# Altium PCB BTTC测试控制板.PcbDoc
Units mm, origin at the board's own origin, x right, y up, seen from the top; angles counter-clockwise.
Board outline 100 x 90 mm, 2 copper layers (Top Layer, Bottom Layer); 105 components, 93 nets, 388 pads, 692 vias.
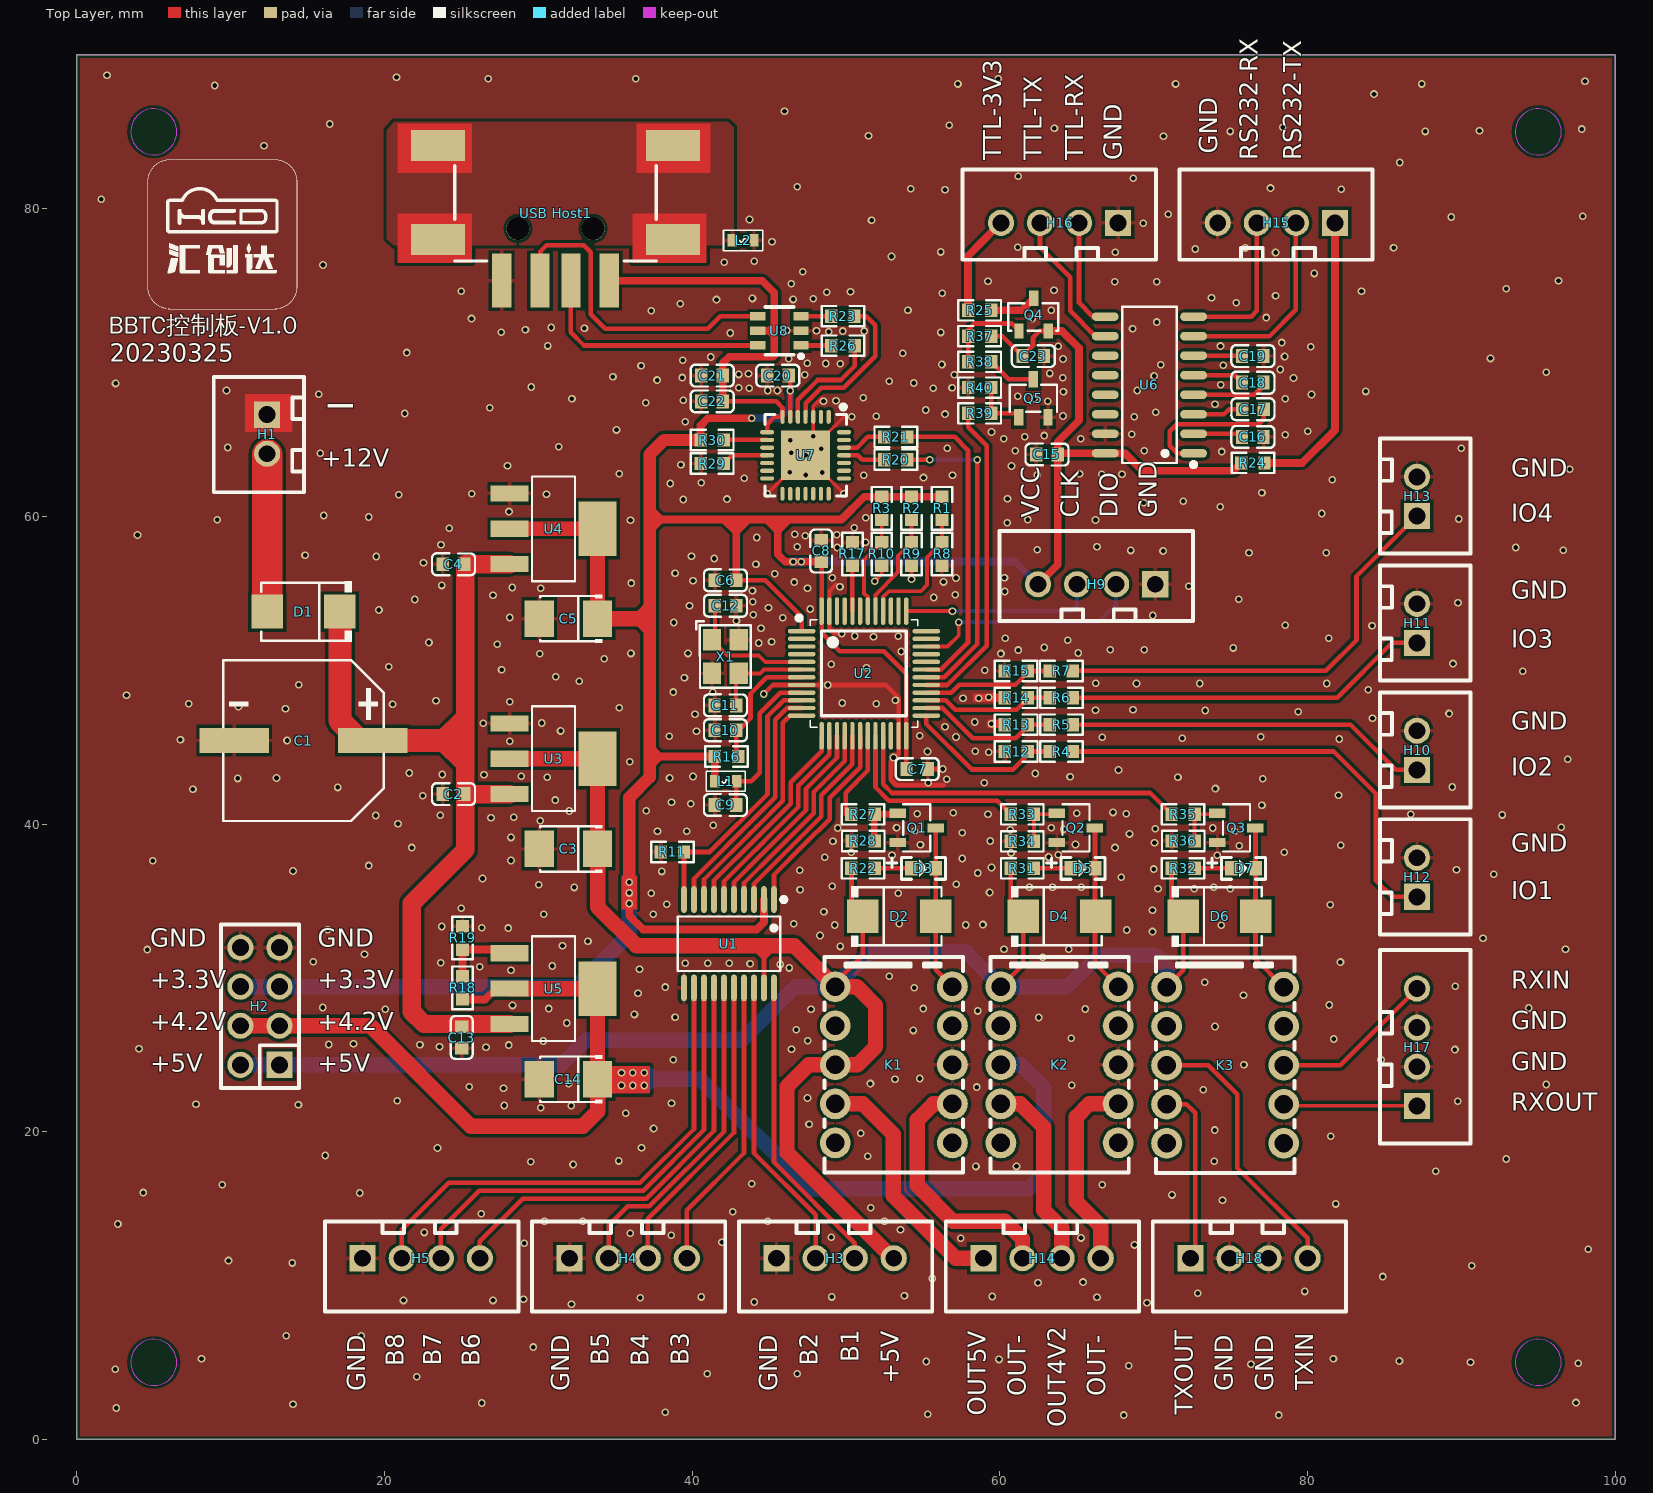
[diagram p0: Top Layer view]
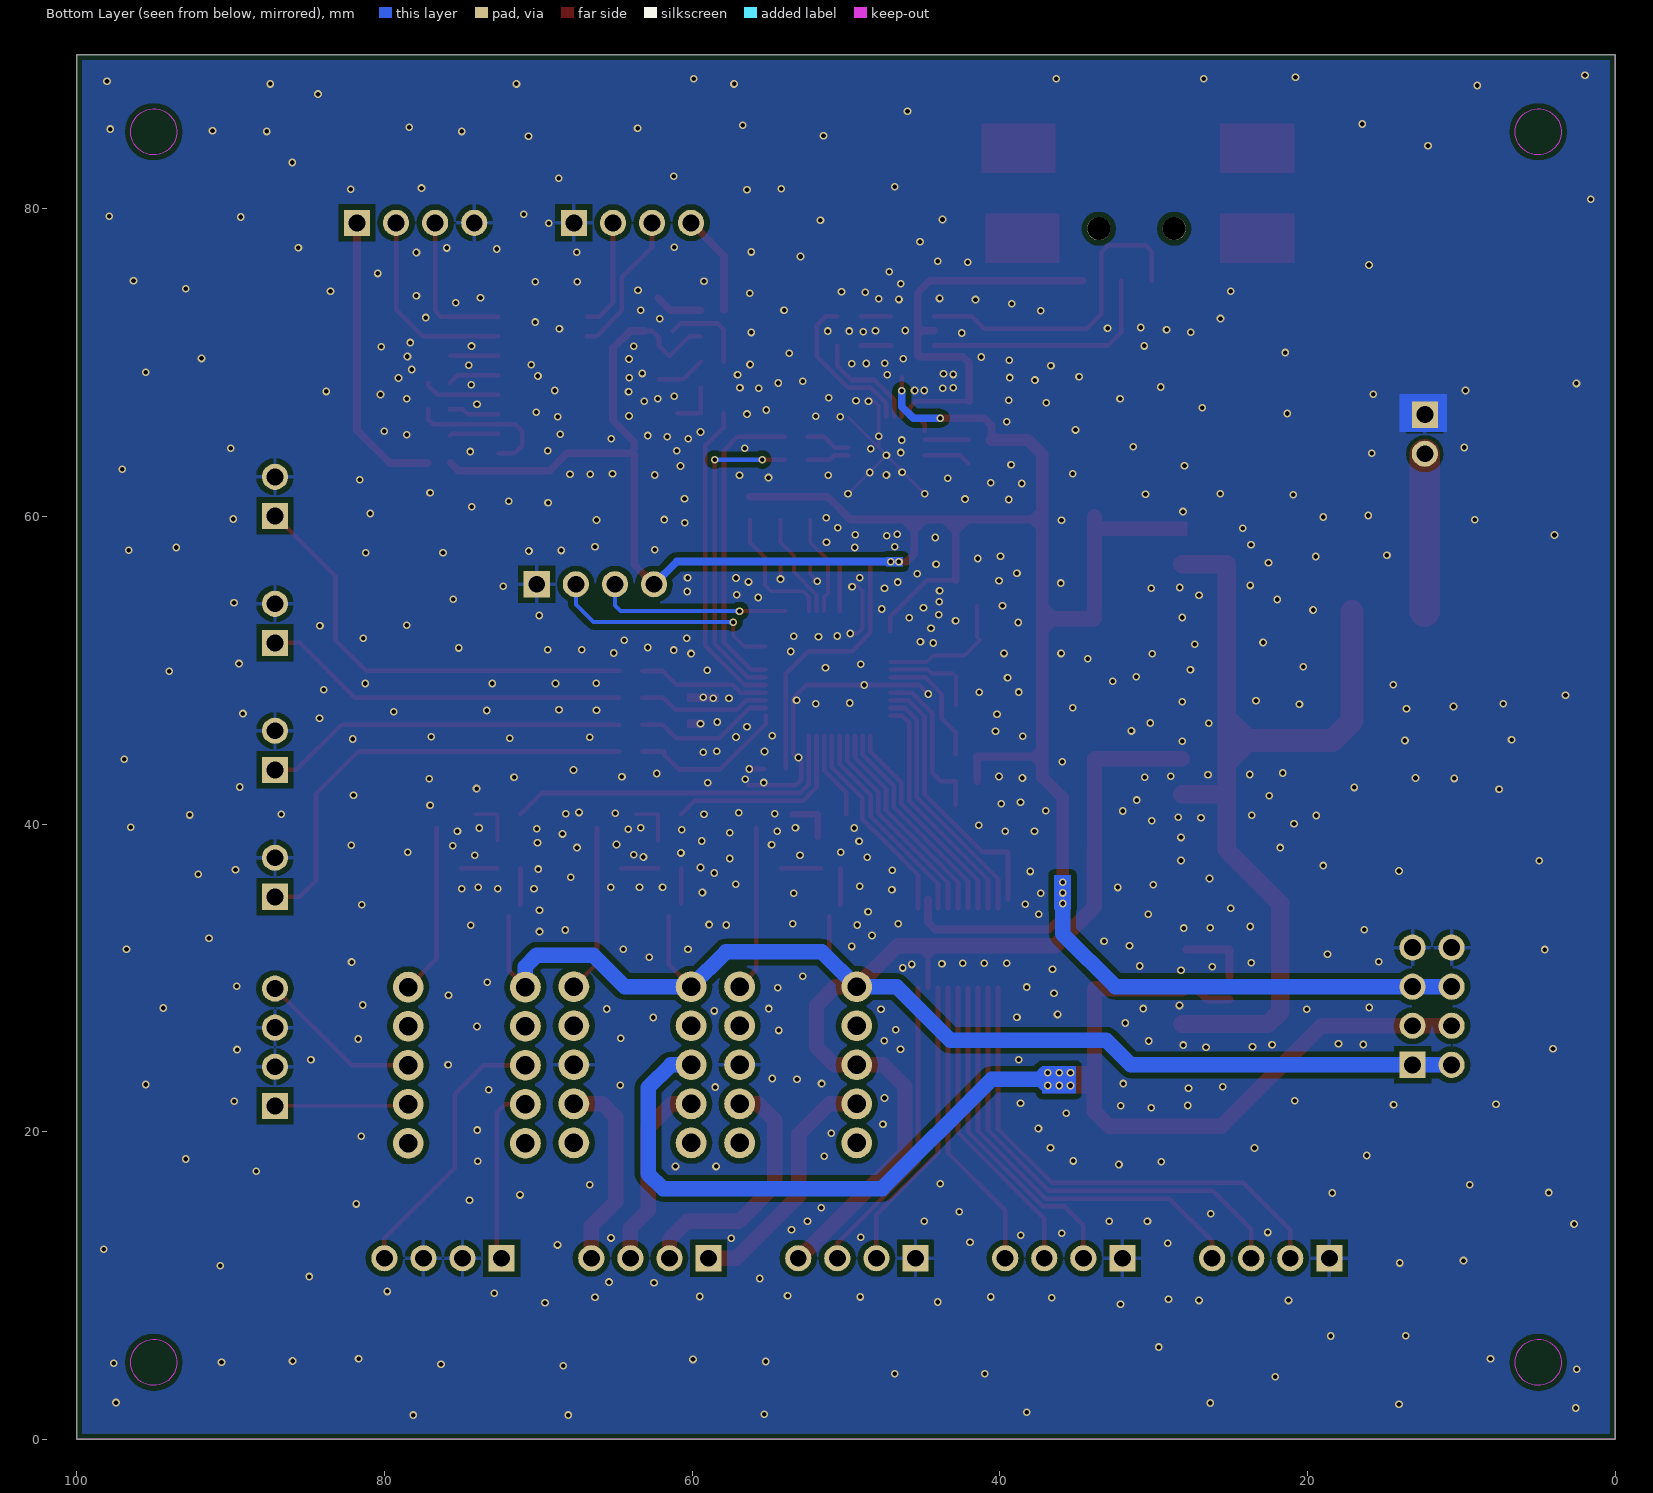
[diagram p1: Bottom Layer view, seen from below]

## Layer stack, top to bottom
Top Layer: signal copper 0.0356
Dielectric: dielectric 0.32, FR-4, Dk 4.8
Bottom Layer: signal copper 0.0356

## Board outline
0,0 0,90 100,90 100,0

## Design rules (kind name [scope] priority, off if disabled: settings)
Clearance [All] p1: gap=0.2
ComponentClearance [All] p1: gap=0 collisioncheckmode=3 verticalgap=0 showdistances=FALSE
PolygonConnect PolygonConnect_1 [InNet('5.416V')] p1: connectstyle=Direct reliefconductorwidth=0.254 reliefentries=4 polygonreliefangle="90 Angle"
PolygonConnect [IsVia] p2: connectstyle=Direct reliefconductorwidth=0.254 reliefentries=4 polygonreliefangle="90 Angle"
PolygonConnect PolygonConnect_2 [All] p3: connectstyle=Relief reliefconductorwidth=0.254 reliefentries=4 polygonreliefangle="90 Angle"
RoutingVias [All] p1: holewidth=0.711 width=1.27 viastyle="Through Hole" minholewidth=0.3 minwidth=0.5 maxholewidth=0.711 maxwidth=1.27
SilkscreenOverComponentPads SilkToSolderMaskClearance [IsPad] p1: minsilkscreentomaskgap=0.254
SolderMaskExpansion [All] p1: expansion=0.102
Width [All] p1: maxlimit=10 minlimit=0.125 preferedwidth=0.254
26 further rules are at their usual default settings.

## Components (designator, comment, footprint, x,y, rotation, side; value= is the part's Value field where it differs from the comment)
C1 "RVT1C221M0605" CAP-SMD_BD10.0-L10.3-W10.3-LS11.0-FD 14.732,45.426 r180 top
C2 "104" C0603 24.486,41.946 r180 top
C3 "T491X476K035AT" CAP-SMD_L3.5-W2.8-R-RD 31.953,38.378 r0 top
C4 "104" C0603 24.486,56.881 r180 top
C5 "T491X476K035AT" CAP-SMD_L3.5-W2.8-R-RD 31.953,53.351 r0 top
C6 "104" C0603 42.164,55.84 r180 top
C7 "104" C0603 54.635,43.572 r180 top
C8 "104" C0603 48.387,57.745 r90 top
C9 "104" C0603 42.164,41.235 r180 top
C10 "104" C0603 42.164,46.093 r180 top
C11 "22pf" C0603 42.164,47.712 r180 top
C12 "22pf" C0603 42.164,54.189 r0 top
C13 "104" C0603 25.019,26.122 r270 top
C14 "T491X476K035AT" CAP-SMD_L3.5-W2.8-R-RD 31.953,23.404 r0 top
C15 "104" C0603 63.068,64.019 r180 top
C16 "104" C0603 76.454,65.162 r180 top
C17 "104" C0603 76.454,66.965 r0 top
C18 "104" C0603 76.454,68.692 r180 top
C19 "104" C0603 76.454,70.42 r180 top
C20 "10uF" C0603 45.568,69.15 r0 top
C21 "10uF" C0603 41.3,69.15 r180 top
C22 "104" C0603 41.3,67.473 r180 top
C23 "10uF" C0603 62.179,70.418 r180 top
D1 "SK1045B" SMB_L4.6-W3.6-LS5.3-RD 14.732,53.808 r180 top
D2 "1N4001" SMB_L4.6-W3.6-LS5.3-RD 53.46,33.996 r0 top
D3 "LED" LED_0603 55.036,37.12 r0 top
D4 "1N4001" SMB_L4.6-W3.6-LS5.3-RD 63.874,33.996 r0 top
D5 "LED" LED_0603 65.405,37.12 r0 top
D6 "1N4001" SMB_L4.6-W3.6-LS5.3-RD 74.288,33.996 r0 top
D7 "LED" LED_0603 75.842,37.12 r0 top
H1 "2P" CONN-TH_2P-P2.54 12.37,66.61 r270 top
H2 "8p-2.54" P2.54-4X2 11.897,28.154 r90 top
H3 "4p-2.54" CONN-TH_4P-P2.54 45.484,11.771 r0 top
H4 "4p-2.54" CONN-TH_4P-P2.54 32.032,11.771 r0 top
H5 "4p-2.54" CONN-TH_4P-P2.54 18.579,11.771 r0 top
H9 "4p-2.54" CONN-TH_4P-P2.54 70.104,55.586 r180 top
H10 "2P" CONN-TH_2P-P2.54 87.122,43.521 r90 top
H11 "2P" CONN-TH_2P-P2.54 87.122,51.776 r90 top
H12 "2P" CONN-TH_2P-P2.54 87.122,35.266 r90 top
H13 "2P" CONN-TH_2P-P2.54 87.122,60.031 r90 top
H14 "4p-2.54" CONN-TH_4P-P2.54 58.937,11.771 r0 top
H15 "4p-2.54" CONN-TH_4P-P2.54 81.788,79.081 r180 top
H16 "4p-2.54" CONN-TH_4P-P2.54 67.691,79.081 r180 top
H17 "4p-2.54" CONN-TH_4P-P2.54 87.122,21.677 r90 top
H18 "4p-2.54" CONN-TH_4P-P2.54 72.39,11.771 r0 top
K1 "TQ2-5V" RELAY-TH_TQ2-XXV 53.111,24.344 r270 top
K2 "TQ2-5V" RELAY-TH_TQ2-XXV 63.881,24.344 r270 top
K3 "TQ2-5V" RELAY-TH_TQ2-XXV 74.651,24.319 r270 top
L1 "10uH" L0603 42.177,42.777 r180 top
L2 "PZ1608D121-2R0TF" L0603 43.307,77.938 r0 top
Q1 "S8050" SOT23-3 54.591,39.743 r180 top
Q2 "S8050" SOT23-3 64.95,39.743 r180 top
Q3 "S8050" SOT23-3 75.385,39.743 r180 top
Q4 "RU20P4C" SOT23-M 62.205,73.111 r0 top
Q5 "S8050" SOT23-3 62.179,67.675 r270 top
R1 "10K" R0603 56.241,61.272 r270 top
R2 "10K" R0603 54.26,61.272 r270 top
R3 "10K" R0603 52.324,61.272 r270 top
R4 "10K" R0603 64.758,44.712 r180 top
R5 "10K" R0603 64.758,46.457 r180 top
R6 "10K" R0603 64.758,48.203 r180 top
R7 "10K" R0603 64.75,49.949 r180 top
R8 "10K" R0603 56.241,58.307 r270 top
R9 "10K" R0603 54.26,58.307 r270 top
R10 "10K" R0603 52.324,58.307 r270 top
R11 "10K" R0603 39.468,38.183 r180 top
R12 "10K" R0603 61.816,44.712 r180 top
R13 "10K" R0603 61.816,46.457 r180 top
R14 "10K" R0603 61.816,48.203 r180 top
R15 "10K" R0603 61.809,49.949 r180 top
R16 "10K" R0603 41.478,44.385 r0 top
R17 "10K" R0603 50.419,56.8 r90 top
R18 "200R" R0603 25.071,28.597 r90 top
R19 "470R" R0603 25.071,31.837 r90 top
R20 "0R" R0603 53.992,63.689 r180 top
R21 "0R" R0603 53.992,65.163 r180 top
R22 "510Ω" R0603 51.861,37.12 r180 top
R23 "22R" R0603 49.047,73.01 r0 top
R24 "0R" R0603 77.207,63.475 r180 top
R25 "0R" R0603 57.937,73.39 r0 top
R26 "22R" R0603 49.053,71.094 r0 top
R27 "1K" R0603 51.861,40.632 r180 top
R28 "10K" R0603 50.368,38.898 r0 top
R29 "10K" R0603 40.547,63.435 r0 top
R30 "4.7K" R0603 40.547,64.959 r0 top
R31 "510Ω" R0603 62.212,37.12 r180 top
R32 "510Ω" R0603 72.667,37.12 r180 top
R33 "1K" R0603 62.212,40.632 r180 top
R34 "10K" R0603 60.706,38.876 r0 top
R35 "1K" R0603 72.667,40.632 r180 top
R36 "10K" R0603 71.171,38.898 r0 top
R37 "10K" R0603 59.444,71.717 r180 top
R38 "1K" R0603 57.937,70.044 r0 top
R39 "1K" R0603 59.444,66.697 r180 top
R40 "10K" R0603 57.937,68.37 r0 top
U1 "TXB0108PWR" TSSOP-20 42.393,32.218 r180 top
U2 "STM32F030C6T6" LQFP-48_7x7x05P 47.117,52.538 r0 top
U3 "AMS1117-5" SOT-223 30.987,44.244 r180 top
U4 "AMS1117-3.3" SOT-223 30.987,59.192 r180 top
U5 "AMS1117-ADJ" SOT-223 30.987,29.297 r180 top
U6 "SP3232EEN" SOP-16_L10.0-W3.9-P1.27-LS6.0-BL 69.723,68.54 r90 top
U7 "CP2102-GMR" WQFN-28_L5.0-W5.0-P0.50-BL-EP3.2 47.371,63.968 r180 top
U8 "USBLC6-2SC6" SOT-23-6_L2.9-W1.6-P0.95-LS2.8-BR 45.675,72.059 r0 top
"USB Host1" "629104190121" USB-A 31.115,79.716 r180 top
X1 "TAXM8M4RDBCCT2T" OSC-SMD_4P-L3.2-W2.5-BL 42.164,50.887 r270 top

## Footprints (in the part's own frame and the unit in brackets; to place one, negate y for a bottom-side part, rotate by r counter-clockwise, add the part's x,y. Pads: shape width x height; smd on the part's side, far side on the other; paste and mask are expansions set on the pad)
C0603 [mm]
  rect 0.8x0.9 smd: 1(-0.692,-0.003) 2(0.708,-0.003)
  Top Layer pour cut-out: -0.508,0.635 -0.508,-0.635 0.508,-0.635 0.508,0.635
  silkscreen extent -1.4,-0.71 1.4,0.71
CAP-SMD_BD10.0-L10.3-W10.3-LS11.0-FD [mm]
  rect 4.5x1.65 smd mask+0.051: 1(-4.5,0) 2(4.5,0)
  silkscreen extent -5.23,-5.23 5.23,5.23
CAP-SMD_L3.5-W2.8-R-RD [mm]
  rect 1.9x2.376 smd paste+0 mask+0.051: 1(1.899,0) 2(-1.899,0)
  silkscreen extent -1.83,-1.55 2.21,1.55
CONN-TH_2P-P2.54 [mm]
  rect 1.7x1.7 hole 1.1 paste+0 mask+0.05: 1(0,0)
  round 1.7 hole 1.1 paste+0 mask+0.05: 2(2.54,0)
  silkscreen extent -2.45,-3.47 5.04,2.4
CONN-TH_4P-P2.54 [mm]
  rect 1.7x1.7 hole 1.1 paste+0 mask+0.05: 1(0,0)
  round 1.7 hole 1.1 paste+0 mask+0.05: 2(2.54,0) 3(5.08,0) 4(7.62,0)
  silkscreen extent -2.45,-3.47 10.12,2.4
L0603 [mil]
  rect 24x32 smd: 1(-28,0) 2(28,0)
  Top Layer pour cut-out: -15,20 -15,-20 20,-20 20,20
  silkscreen extent -50,-26 50,26
LED_0603 [mm]
  rect 0.8x0.96 smd: 1(-0.79,0) 2(0.79,0)
  Top Layer pour cut-out: -0.508,0.635 -0.508,-0.635 0.508,-0.635 0.508,0.635
  silkscreen extent -2.35,-0.71 1.42,0.71
LQFP-48_7x7x05P [mm]
  oval 1.8x0.28 smd mask+0.051: 1(0,0) 2(0,-0.5) 3(0,-1) 4(0,-1.5) 5(0,-2) 6(0,-2.5) 7(0,-3) 8(0,-3.5) 9(0,-4) 10(0,-4.5) 11(0,-5) 12(0,-5.5) 25(8.1,-5.5) 26(8.1,-5) 27(8.1,-4.5) 28(8.1,-4) 29(8.1,-3.5) 30(8.1,-3) 31(8.1,-2.5) 32(8.1,-2) 33(8.1,-1.5) 34(8.1,-1) 35(8.1,-0.5) 36(8.1,0)
  oval 0.28x1.8 smd mask+0.051: 13(1.3,-6.8) 14(1.8,-6.8) 15(2.3,-6.8) 16(2.8,-6.8) 17(3.3,-6.8) 18(3.8,-6.8) 19(4.3,-6.8) 20(4.8,-6.8) 21(5.3,-6.8) 22(5.8,-6.8) 23(6.3,-6.8) 24(6.8,-6.8) 37(6.8,1.3) 38(6.3,1.3) 39(5.8,1.3) 40(5.3,1.3) 41(4.8,1.3) 42(4.3,1.3) 43(3.8,1.3) 44(3.3,1.3) 45(2.8,1.3) 46(2.3,1.3) 47(1.8,1.3) 48(1.3,1.3)
  silkscreen extent -0.32,-6.25 7.55,1
OSC-SMD_4P-L3.2-W2.5-BL [mm]
  rect 1.4x1.2 smd mask+0.051: 1(-1.1,-0.875) 2(1.1,-0.875) 3(1.1,0.875) 4(-1.1,0.875)
  silkscreen extent -2.29,-1.9 2.03,1.65
P2.54-4X2 [mm]
  rect 1.7x1.7 hole 1.1 paste+0 mask+0.051: 1(-3.81,-1.27)
  round 1.7 hole 1.1 paste+0 mask+0.051: 2(-3.81,1.27) 3(-1.27,-1.27) 4(-1.27,1.27) 5(1.27,-1.27) 6(1.27,1.27) 7(3.81,-1.27) 8(3.81,1.27)
  silkscreen extent -5.31,-2.54 5.31,2.54
R0603 [mm]
  rect 0.806x0.864 smd: 1(0,0) 2(1.506,0)
  Top Layer pour cut-out: 0.254,0.635 0.254,-0.635 1.27,-0.635 1.27,0.635
  silkscreen extent -0.63,-0.66 2.14,0.66
RELAY-TH_TQ2-XXV [mm]
  round 2 hole 1.2 paste+0 mask+0.051: 1(-5.08,-3.81) 2(-2.54,-3.81) 3(0,-3.81) 4(2.54,-3.81) 5(5.08,-3.81) 6(5.08,3.81) 7(2.54,3.81) 8(0,3.81) 9(-2.54,3.81) 10(-5.08,3.81)
  silkscreen extent -7,-4.5 7,4.5
SMB_L4.6-W3.6-LS5.3-RD [mm]
  rect 2.047x2.192 smd mask+0.051: 1(-2.361,0) 2(2.361,0)
  silkscreen extent -3.12,-1.96 2.74,1.96
SOP-16_L10.0-W3.9-P1.27-LS6.0-BL [mm]
  oval 0.56x1.745 smd mask+0.051: 1(-4.445,-2.872) 2(-3.175,-2.872) 3(-1.905,-2.872) 4(-0.635,-2.872) 5(0.635,-2.872) 6(1.905,-2.872) 7(3.175,-2.872) 8(4.445,-2.872) 9(4.445,2.872) 10(3.175,2.872) 11(1.905,2.872) 12(0.635,2.872) 13(-0.635,2.872) 14(-1.905,2.872) 15(-3.175,2.872) 16(-4.445,2.872)
  silkscreen extent -5.33,-3.02 5.08,1.77
SOT23-3 [mm]
  rect 1.07x0.6 smd paste+0 mask+0.051: 1(1.235,-0.95) 2(1.235,0.95) 3(-1.235,0)
  silkscreen extent -0.88,-1.54 0.88,1.54
SOT23-M [mm]
  rect 0.6x1 smd: D(0,1.06) G(-0.95,-1.06) S(0.95,-1.06)
  silkscreen extent -1.65,-1.04 1.6,0.75
SOT-23-6_L2.9-W1.6-P0.95-LS2.8-BR [mm]
  rect 1x0.55 smd mask+0.051: 1(1.4,-0.95) 2(1.4,0) 3(1.4,0.95) 4(-1.4,0.95) 5(-1.4,0) 6(-1.4,-0.95)
  silkscreen extent -0.9,-1.78 1.52,1.55
SOT-223 [mm]
  rect 2.465x1.05 smd paste+0 mask+0.051: 1(2.858,-2.3) 2(2.858,0) 3(2.858,2.3)
  rect 2.465x3.54 smd paste+0 mask+0.051: 4(-2.857,0)
  silkscreen extent -1.4,-3.4 1.4,3.4
TSSOP-20 [mm]
  oval 0.364x1.742 smd paste+0 mask+0.051: 1(-2.925,-2.871) 2(-2.275,-2.871) 3(-1.625,-2.871) 4(-0.975,-2.871) 5(-0.325,-2.871) 6(0.325,-2.871) 7(0.975,-2.871) 8(1.625,-2.871) 9(2.275,-2.871) 10(2.925,-2.871) 11(2.925,2.871) 12(2.275,2.871) 13(1.625,2.871) 14(0.975,2.871) 15(0.325,2.871) 16(-0.325,2.871) 17(-0.975,2.871) 18(-1.625,2.871) 19(-2.275,2.871) 20(-2.925,2.871)
  silkscreen extent -3.71,-3.02 3.33,1.77
USB-A [mm]
  rect 1.25x3.5 smd: 1(-3.5,4.39) 2(-1,4.39) 3(1,4.39) 4(3.5,4.39)
  round 1.5 hole 1.5 unplated: MH1(-2.45,1.01) MH2(2.45,1.01)
  rect 3.5x2 smd: Shell(-7.63,-4.39) Shell(-7.63,1.71) Shell(7.63,-4.39) Shell(7.63,1.71)
  silkscreen extent -6.55,-3.09 6.55,3.11, body extent -8.25,-6.89 8.25,4.22, height 6.35
WQFN-28_L5.0-W5.0-P0.50-BL-EP3.2 [mm]
  oval 0.28x0.9 smd paste-100 mask+0.051: 1(-1.501,-2.5) 2(-1.001,-2.5) 3(-0.501,-2.5) 4(0,-2.5) 5(0.5,-2.5) 6(1.001,-2.5) 7(1.501,-2.5) 15(1.501,2.5) 16(1.001,2.5) 17(0.5,2.5) 18(0,2.5) 19(-0.501,2.5) 20(-1.001,2.5) 21(-1.501,2.5)
  oval 0.9x0.28 smd paste-100 mask+0.051: 8(2.5,-1.501) 9(2.5,-1.001) 10(2.5,-0.501) 11(2.5,0) 12(2.5,0.5) 13(2.5,1.001) 14(2.5,1.501) 22(-2.5,1.501) 23(-2.5,1.001) 24(-2.5,0.5) 25(-2.5,0) 26(-2.5,-0.501) 27(-2.5,-1.001) 28(-2.5,-1.501)
  rect 3.2x3.2 smd paste-100 mask+0.051: 29(0,0)
  silkscreen extent -2.65,-3.3 2.65,2.65

## Part data
C2 C4 C6 C7 C8 C9 C10 C11 C12 C13 C15 C16 C17 C18 C19: library part CAP
C22: library part 100nF
D2 D4 D6: library part D
D3 D5 D7: "贴片电阻"
L1: library part L
L2: library part CMP-006-00022-2
Q4: library part P-MOS
R1 R2 R3 R4 R5 R6 R7 R8 R9 R10 R11 R12 R13 R14 R15 R16 R17 R18 R19 R37 R38: library part Res, "Resistor"
R20 R21 R23 R26 R28 R34 R36 R40: library part "0603 10KΩ (1002) 1%", "贴片电阻"
R22 R31 R32: library part "0603 510Ω (5100) 1%", "贴片电阻"
R24 R25 R27 R33 R35 R39: library part "0603 1KΩ (1001) 1%", "贴片电阻"
U3 U4 U5: library part AIP1117-5GH.TR
U8: library part CMP-004-00033-2, "TVS DIODE 5.25V 17V SOT23-6"
"USB Host1": library part CMP-007-0023-1, "USB 2.0 Type A, Receptacle, Horizontal - Short Type, SMT"

## Via types
v1: diameter 0.5, hole 0.3, Top Layer to Bottom Layer, tented both sides, 692 vias

## Nets (pads, with @x,y where several pads share a name; then routed paths per layer and width w, separated by ;. In a path a pad name is that pad's centre, name@x,y a point inside that pad or via, vN(x,y) a via of type N, cw(c..) or ccw(c..) an arc to the next point about the centre after c; other vN are vias at no path point)
3V3: H16.4 R25.1 | length 8.9
  Top Layer w0.5: R25.1 57.937,76.947 H16.4 58.42,77.43
-4V2: H14.4 K2.7 | length 12.9
  Top Layer w1: H14.4 66.557,13.857 64.973,15.441 64.973,20.966 65.811,21.804 K2.7
-5V: H14.2 K1.7 | length 16.5
  Top Layer w1: K1.7 55.677,21.804 54.635,20.763 54.635,16.495 56.96,14.171 60.338,14.171 61.477,13.032 H14.2
A1: U1.1 U2.18 | length 13.5
  Top Layer w0.3: U1.1@45.318,34.53 45.318,36.697 47.36,38.739 48.936,40.315 48.936,41.702 50.917,43.684 U2.18
A2: U1.3 U2.17 | length 13.9
  Top Layer w0.3: U1.3@44.018,34.53 44.018,36.105 48.399,40.486 48.399,41.873 50.417,43.891 U2.17
A3: U1.4 U2.16 | length 15.2
  Top Layer w0.3: U1.4@43.368,34.53 43.368,36.162 45.43,38.223 ; 44.504,37.298 45.43,38.223 ; U2.16 49.917,44.098 47.899,42.08 47.899,40.693 45.43,38.223
A4: U1.5 U2.15 | length 14.2
  Top Layer w0.3: U1.5@42.717,34.53 42.717,36.219 44.466,37.967 ; 44.297,37.798 44.466,37.967 ; U2.15 49.417,44.305 47.399,42.287 47.399,40.9 44.466,37.967
A5: U1.6 U2.14 | length 15.9
  Top Layer w0.3: U1.6@42.067,34.53 42.067,36.276 45.383,39.591 ; 44.09,38.298 45.383,39.591 ; U2.14 48.917,44.512 46.899,42.494 46.899,41.107 45.383,39.591
A6: U1.7 U2.13 | length 14.5
  Top Layer w0.3: U1.7@41.417,34.53 41.417,36.333 44.191,39.106 ; 43.883,38.798 44.191,39.106 ; U2.13 48.417,44.719 46.399,42.702 46.399,41.314 44.191,39.106
A7: U1.8 U2.12 | length 16.3
  Top Layer w0.3: U1.8@40.768,34.53 40.768,36.39 44.185,39.807 ; 43.676,39.298 44.185,39.807 ; U2.12 46.355,47.038 45.899,46.583 45.899,41.522 44.185,39.807
A8: U1.9 U2.11 | length 17.5
  Top Layer w0.3: U1.9@40.118,34.53 40.118,36.447 44.165,40.495 ; 43.469,39.798 44.165,40.495 ; U2.11 46.147,47.538 45.399,46.79 45.399,41.729 44.165,40.495
B1: H3.3 U1.20 | length 19.7
  Top Layer w0.3: U1.20 45.318,18.002 50.564,12.756 H3.3
B2: H3.2 U1.18 | length 19.2
  Top Layer w0.3: U1.18 44.018,18.595 48.024,14.588 H3.2
B3: H4.4 U1.17 | length 19.1
  Top Layer w0.3: H4.4 39.652,14.897 43.368,18.614 U1.17
B4: H4.3 U1.16 | length 19.9
  Top Layer w0.3: H4.3 37.112,14.339 42.717,19.944 U1.16
B5: H4.2 U1.15 | length 21.5
  Top Layer w0.3: H4.2 34.572,13.919 35.802,15.149 37.215,15.149 42.067,20.002 U1.15
B6: H5.4 U1.14 | length 28.6
  Top Layer w0.3: H5.4 26.199,12.875 28.973,15.649 37.008,15.649 41.417,20.059 U1.14
B7: H5.3 U1.13 | length 30.9
  Top Layer w0.3: H5.3 23.659,13.662 26.162,16.165 36.817,16.165 40.768,20.116 U1.13
B8: H5.2 U1.12 | length 32.7
  Top Layer w0.3: H5.2 21.119,13.611 24.173,16.665 36.61,16.665 40.118,20.173 U1.12
D+: R23.2 U7.4 | length 10.3
  Top Layer w0.3: U7.4 47.371,67.346 48.387,68.362 49.86,68.362 51.894,70.396 51.894,72.425 51.308,73.01 R23.2
D-: R26.2 U7.5 | length 7
  Top Layer w0.3: U7.5 46.871,67.583 48.15,68.862 49.649,68.862 50.56,69.773 R26.2
DC12V: C1.1 C2.1 C4.1 C13.1 D1.1 U3.3 U4.3 U5.3 | length 60.9
  Top Layer w0.8: 23.419,45.426 25.248,43.597
  Top Layer w1.2: C4.1@25.248,56.881 C2.1@25.248,41.944 ; C4.1@25.258,56.892 U4.3 ; U5.3 22.569,26.997 21.768,27.798 21.768,34.834 25.248,38.314 C2.1@25.248,41.944 ; U3.3 C2.1@25.248,41.944